# Altium PCB LTC7818.PcbDoc (continued)
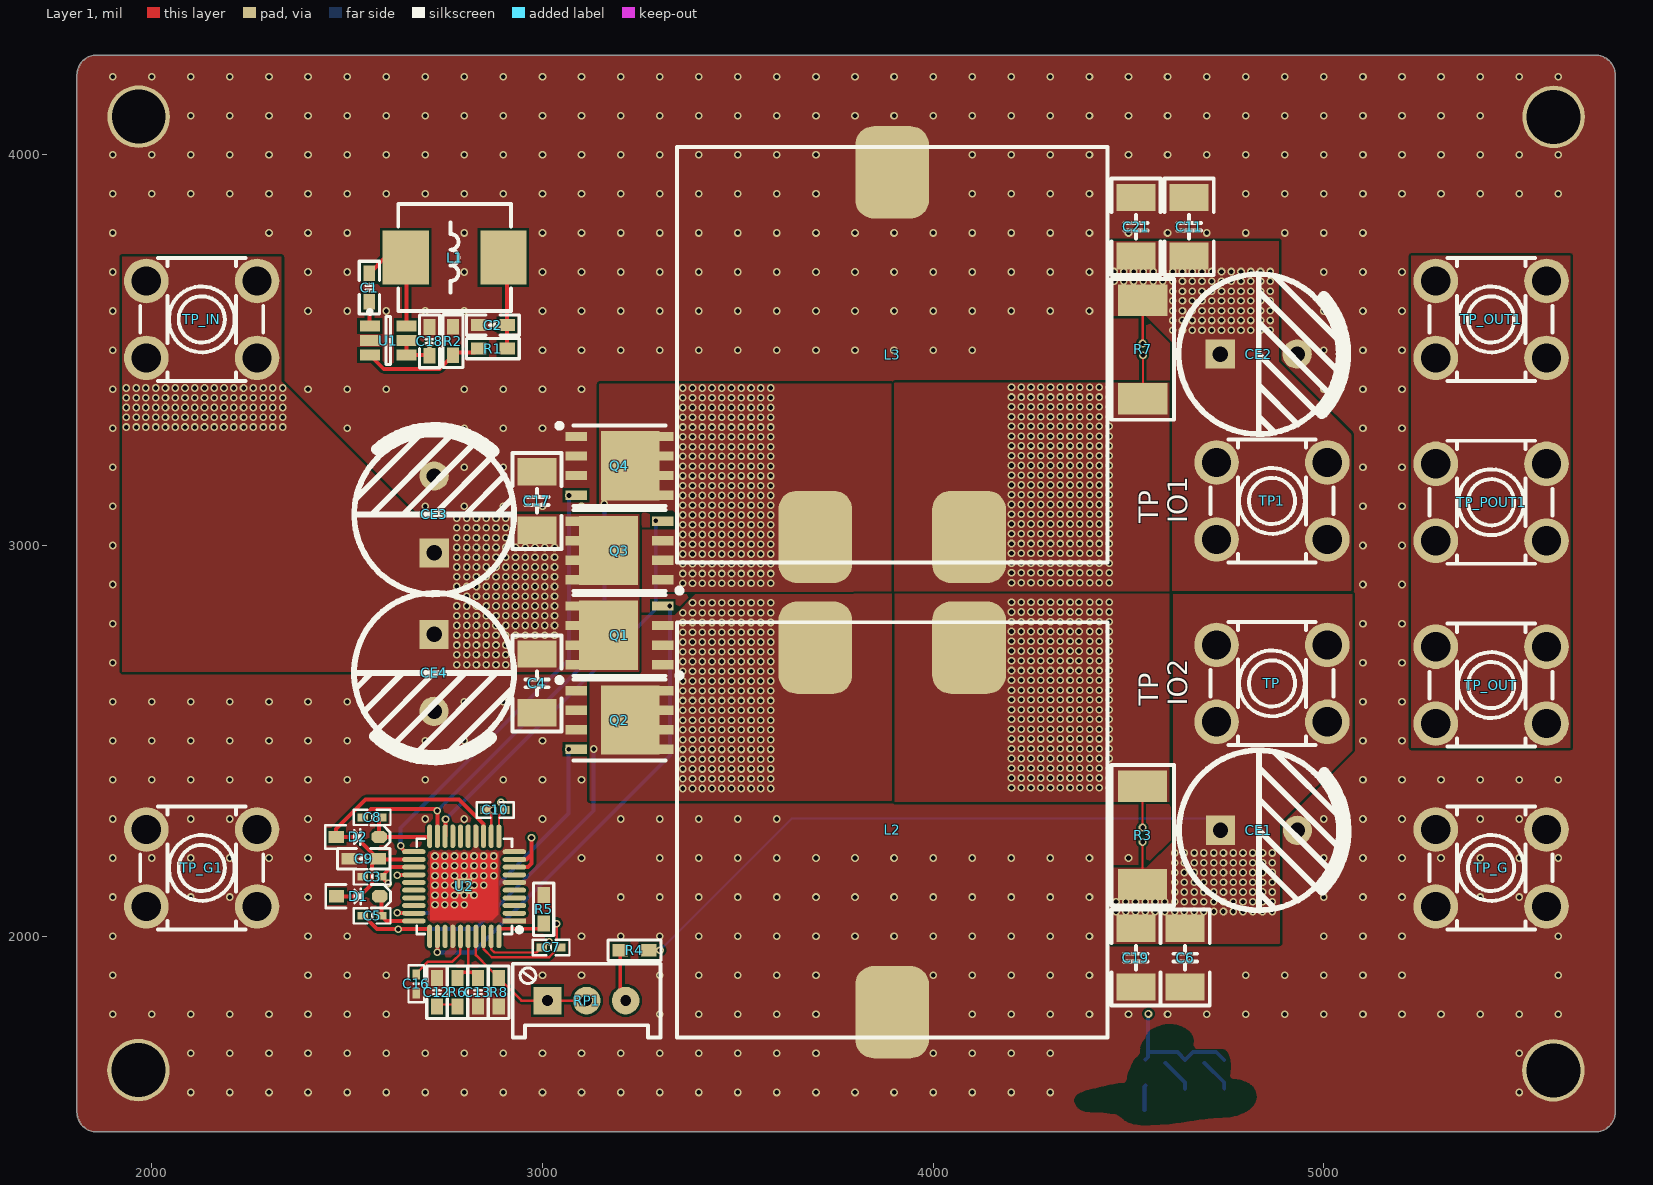
[diagram p0: Layer 1 view]
## Part data
C1 C2 C3 C4 C5 C6 C7 C8 C9 C10 C11 C12 C13 C16 C17 C18 C19 C21: library part C, "贴片电容", BOM名称=无极性贴片电容, 封装库来自淘宝卖家ID：黄晶宝石=其他店铺购入均为盗版假冒封装库，请立即申请退款, 联系卖家，免费查找封装=唯一出售店铺网址https://shop463601444.taobao.com
CE1 CE2 CE3 CE4: library part CE, "直插电解电容", BOM名称=直插电解电容, 封装库来自淘宝卖家ID：黄晶宝石=其他店铺购入均为盗版假冒封装库，请立即申请退款, 联系卖家，免费查找封装=唯一出售店铺网址https://shop463601444.taobao.com
D1 D2: "开关二极管", BOM名称=高速开关二极管, 联系卖家，免费查找封装=唯一出售店铺网址https://shop463601444.taobao.com
L1: library part "L-Molding Choke", "一体成型电感", BOM名称=一体成型电感, 封装库来自淘宝卖家ID：黄晶宝石=其他店铺购入均为盗版假冒封装库，请立即申请退款, 联系卖家，免费查找封装=唯一出售店铺网址https://shop463601444.taobao.com
L2 L3: library part "L_ SER2900"
LED1 LED2 LED3: library part LED-SMD, "贴片LED", BOM名称=贴片LED, 封装库来自淘宝卖家 ID：黄晶宝石=其他店铺购入均为假冒，请立即申请退款，本店奖励现金5~20元
R1 R2 R3 R4 R5 R6 R7 R8 R9 R10 R11: library part R, "贴片电阻", BOM名称=贴片电阻, 封装库来自淘宝卖家ID：黄晶宝石=其他店铺购入均为盗版假冒封装库，请立即申请退款, 联系卖家，免费查找封装=唯一出售店铺网址https://shop463601444.taobao.com
RP1: library part RP, "单联电位器", BOM名称=插件电位器, 封装库来自淘宝卖家ID：黄晶宝石=其他店铺购入均为盗版假冒封装库，请立即申请退款, 联系卖家，免费查找封装=唯一出售店铺网址https://shop463601444.taobao.com

## Free pads (board coordinates)
  round 160 hole 137.8: 0(1965.98,1657.08) 0(1966.53,4097.52) 0(5587.47,1656.53) 0(5588.02,4096.92)

## Via types
v1: diameter 19.68, hole 11.81, Layer 1 to Layer 4, tented both sides, 1828 vias

## Nets (pads, with @x,y where several pads share a name; then routed paths per layer and width w, separated by ;. In a path a pad name is that pad's centre, name@x,y a point inside that pad or via, vN(x,y) a via of type N, cw(c..) or ccw(c..) an arc to the next point about the centre after c; other vN are vias at no path point)
BG1: Q2.2 U2.29 | length 752.2
  Layer 1 w10: v1(2628,2059.76) 2628,2059.27 2628.14,2059.14 2670.35,2059.14 U2.29
  Layer 4 w10: v1(2628,2059.76) 2813.24,2059.76 3067,2313.52 v1(3067,2478)
BG2: Q4.2 U2.21 | length 1117.9
  Layer 1 w10: v1(2637,2231.16) 2638.85,2229.3 2638.85,2225.27 2648.04,2216.08 U2.21
  Layer 4 w10: v1(2637,2231.16) 2637,2277 3068,2708 v1(3068,3128)
INTVcc: C9.2 D1.1 D2.1 U2.13 U2.22 | length 884.8
  Layer 1 w10: D1.1 2532,2102 2564,2134 2564,2183 C9.2 ; U2.22 2579,2196.4 C9.2 ; U2.13 2849.21,2286.79 2786,2350 2547.44,2350 2471.88,2274.44 D2.1 2523,2254 C9.2
NetC1_1: C1.1 U1.1 | length 61.9
  Layer 1 w10: C1.1 2557,3563.01 U1.1
NetC1_2: C1.2 L1.1 U1.6 | length 285.8
  Layer 1 w10: C1.2 2597.5,3737 L1.1 2652.5,3734.5 U1.6
NetC5_2: C5.2 D1.2 U2.30 | length 149.7
  Layer 1 w10: D1.2@2576,2093.38 D1.2@2582.62,2100 ; D1.2 2588,2097.12 C5.2 2601.08,2038.92 U2.30
NetC8_2: C8.2 D2.2 U2.20 | length 182.6
  Layer 1 w10: C8.2 2582.12,2298.12 D2.2 2710.13,2254 2711.42,2255.29 U2.20
NetC12_1: C12.1 R6.1 | length 52.5
  Layer 1 w6: C12.1@2730,1825 R6.1@2782.5,1825
NetC13_1: C13.1 R6.2 U2.36 | length 156.9
  Layer 1 w6: 2808.75,1907.5 2809.84,1908.59 U2.36
  Layer 1 w10: R6.2 2797,1907.5 2808.75,1907.5 2820.5,1907.5 C13.1
NetC16_1: C16.1 U2.35 | length 177.7
  Layer 1 w6: C16.1@2677.5,1904.95 2707.4,1934.84 2769.84,1934.84 2790,1955 U2.35@2790,1999.23
  Layer 1 w10: U2.35@2790,1999.23 U2.35
NetLED1_1: LED1.1 R9.1 | length 64.1
  Layer 4 w10: LED1.1 4541.41,1615.46 R9.1@4544,1618.05
NetLED2_1: LED2.1 R10.1 | length 85.4
  Layer 4 w10: LED2.1 4645,1625.18 R10.1
NetLED3_1: LED3.1 R11.1 | length 85.4
  Layer 4 w10: LED3.1 4745,1625.18 R11.1
NetR1_1: R1.1 R2.2 U1.3 | length 315
  Layer 1 w10: U1.3 2593.71,3451.5 2736,3451.5 R2.2 2778.5,3494 2826.5,3494 R1.1
NetR4_1: R4.1 RP1.3 | length 147.5
  Layer 1 w10: R4.1@3208,1973 R4.1 3199,1849 RP1.3
NetR5_2: R5.2 U2.40 | length 139.6
  Layer 1 w10: U2.40 2888.58,2019 2989.5,2019 R5.2
PGND: C2.2 C3.1 C4.1 C6.1 C9.1 C11.1 C12.2 C13.2 C16.2 C17.1 C18.2 C19.1 C21.1 CE1.2 CE2.2 CE3.2 CE4.2 L2.3 L3.3 LED1.2 LED2.2 LED3.2 pad.0 Q2.1 Q4.1 R2.1 R5.1 R8.1 TP_G1.1 TP_G.1 U1.2 U2.1 U2.6 U2.10 U2.14 U2.34 U2.41
  other v1: 2100,1600 2200,1600 2300,1600 2400,1600 2500,1600 2600,1600 2700,1600 2800,1600 2900,1600 3000,1600 3100,1600 3200,1600 3300,1600 3400,1600 3500,1600 3600,1600 3700,1600 3800,1600 3900,1600 4000,1600 4100,1600 4200,1600 4300,1600 5500,1600 2100,1700 2200,1700 2300,1700 2400,1700 2500,1700 2600,1700 2700,1700 2800,1700 2900,1700 3000,1700 3100,1700 3200,1700 3300,1700 3400,1700 3500,1700 3600,1700 3700,1700 4000,1700 4100,1700 4200,1700 4300,1700 5500,1700 1900,1800 2000,1800 2100,1800 2200,1800 2300,1800 2400,1800 2500,1800 2600,1800 3300,1800 3400,1800 3500,1800 3600,1800 3700,1800 4100,1800 4200,1800 4300,1800 4400,1800 4500,1800 4600,1800 4700,1800 4800,1800 4900,1800 5000,1800 5100,1800 5200,1800 5300,1800 5400,1800 5500,1800 5600,1800 1900,1900 2400,1900 2500,1900 2600,1900 3000,1900 3100,1900 3300,1900 3400,1900 3500,1900 3600,1900 3700,1900 4000,1900 4100,1900 4200,1900 4300,1900 4400,1900 4800,1900 4900,1900 5000,1900 5100,1900 5200,1900 5600,1900 1900,2000 2400,2000 2500,2000 3100,2000 3200,2000 3300,2000 3400,2000 3500,2000 3600,2000 3700,2000 3800,2000 3900,2000 4000,2000 4100,2000 4200,2000 4300,2000 4400,2000 5000,2000 5100,2000 5200,2000 5600,2000 2725,2080.6 2750,2080.6 2775,2080.6 2800,2080.6 1900,2100 2100,2100 2200,2100 2400,2100 3200,2100 3300,2100 3400,2100 3500,2100 3600,2100 3700,2100 3800,2100 3900,2100 4000,2100 4100,2100 4200,2100 4300,2100 4400,2100 5000,2100 5100,2100 5200,2100 5400,2100 5500,2100 2725,2105 2750,2105 2775,2105 2800,2105 2825,2105 2725,2130 2750,2130 2775,2130 2800,2130 2825,2130 2850,2130 2725,2155 2750,2155 2775,2155 2800,2155 2825,2155 2850,2155 2875,2155 2725,2180 2750,2180 2775,2180 2800,2180 2825,2180 2850,2180 2875,2180 1900,2200 2000,2200 2100,2200 2200,2200 2300,2200 2400,2200 3100,2200 3300,2200 3400,2200 3500,2200 3600,2200 3700,2200 3800,2200 3900,2200 4000,2200 4100,2200 4200,2200 4300,2200 4400,2200 4500,2200 5000,2200 5100,2200 5200,2200 5300,2200 5400,2200 5500,2200 5600,2200 2725,2205 2750,2205 2775,2205 2800,2205 2825,2205 2850,2205 2875,2205 1900,2300 2100,2300 2200,2300 2400,2300 2700,2300 2800,2300 3000,2300 3200,2300 3300,2300 3400,2300 3500,2300 3600,2300 5000,2300 5100,2300 5200,2300 5400,2300 5500,2300 1900,2400 2000,2400 2100,2400 2200,2400 2300,2400 2400,2400 2500,2400 2700,2400 2900,2400 3000,2400 3100,2400 5100,2400 5200,2400 5300,2400 5400,2400 5500,2400 5600,2400 1900,2500 2000,2500 2100,2500 2200,2500 2300,2500 2400,2500 2500,2500 2700,2500 2800,2500 3000,2500 5100,2500 5200,2500 1900,2600 2000,2600 2100,2600 2200,2600 2300,2600 2400,2600 2500,2600 2800,2600 2900,2600 5100,2600 5200,2600 1900,2700 5100,2700 5200,2700 1900,2800 5100,2800 5200,2800 1900,2900 5100,2900 5200,2900 1900,3000 5100,3000 5200,3000 1900,3100 2700,3100 2800,3100 2900,3100 3000,3100 3100,3100 5100,3100 5200,3100 1900,3200 2800,3200 2900,3200 5100,3200 5200,3200 1900,3300 2500,3300 2700,3300 2800,3300 2900,3300 3000,3300 5100,3300 5200,3300 1900,3400 2400,3400 2500,3400 2600,3400 2800,3400 2900,3400 3000,3400 3100,3400 5000,3400 5100,3400 5200,3400 1900,3500 3000,3500 3100,3500 3200,3500 3300,3500 3400,3500 3500,3500 3600,3500 3700,3500 3800,3500 3900,3500 4000,3500 4100,3500 5000,3500 5100,3500 5200,3500 1900,3600 2400,3600 2500,3600 2600,3600 2700,3600 2800,3600 3000,3600 3100,3600 3200,3600 3300,3600 3400,3600 3500,3600 3600,3600 3700,3600 3800,3600 3900,3600 4000,3600 4100,3600 4200,3600 4300,3600 4400,3600 5000,3600 5100,3600 5200,3600 1900,3700 2400,3700 2500,3700 2800,3700 3000,3700 3100,3700 3200,3700 3300,3700 3400,3700 3500,3700 3600,3700 3700,3700 3800,3700 3900,3700 4000,3700 4100,3700 4200,3700 4300,3700 4400,3700 5000,3700 5100,3700 5200,3700 1900,3800 2300,3800 2400,3800 2500,3800 2800,3800 3000,3800 3100,3800 3200,3800 3300,3800 3400,3800 3500,3800 3600,3800 3700,3800 3800,3800 3900,3800 4000,3800 4100,3800 4200,3800 4300,3800 4400,3800 4500,3800 4600,3800 4700,3800 4800,3800 4900,3800 5000,3800 5100,3800 1900,3900 2000,3900 2100,3900 2200,3900 2300,3900 2400,3900 2500,3900 2600,3900 2700,3900 2800,3900 2900,3900 3000,3900 3100,3900 3200,3900 3300,3900 3400,3900 3500,3900 3600,3900 3700,3900 4100,3900 4200,3900 4300,3900 4400,3900 4800,3900 4900,3900 5000,3900 5100,3900 5200,3900 5300,3900 5400,3900 5500,3900 5600,3900 1900,4000 2000,4000 2100,4000 2200,4000 2300,4000 2400,4000 2500,4000 2600,4000 2700,4000 2800,4000 2900,4000 3000,4000 3100,4000 3200,4000 3300,4000 3400,4000 3500,4000 3600,4000 3700,4000 4100,4000 4200,4000 4300,4000 4400,4000 4500,4000 4600,4000 4700,4000 4800,4000 4900,4000 5000,4000 5100,4000 5200,4000 5300,4000 5400,4000 5500,4000 5600,4000 2100,4100 2200,4100 2300,4100 2400,4100 2500,4100 2600,4100 2700,4100 2800,4100 2900,4100 3000,4100 3100,4100 3200,4100 3300,4100 3400,4100 3500,4100 3600,4100 3700,4100 3800,4100 3900,4100 4000,4100 4100,4100 4200,4100 4300,4100 4400,4100 4500,4100 4600,4100 4700,4100 4800,4100 4900,4100 5000,4100 5100,4100 5200,4100 5300,4100 5400,4100 1900,4200 2000,4200 2100,4200 2200,4200 2300,4200 2400,4200 2500,4200 2600,4200 2700,4200 2800,4200 2900,4200 3000,4200 3100,4200 3200,4200 3300,4200 3400,4200 3500,4200 3600,4200 3700,4200 3800,4200 3900,4200 4000,4200 4100,4200 4200,4200 4300,4200 4400,4200 4500,4200 4600,4200 4700,4200 4800,4200 4900,4200 5000,4200 5100,4200 5200,4200 5300,4200 5400,4200 5500,4200 5600,4200
SENSE1+: C7.1 L2.1 R3.1 U2.38 | length 2025.9
  Layer 1 w6: U2.38 2849.21,1966.79 2870,1946 3017,1946 C7.1@3044,1973 ; v1(3036,2032) 3036.34,2031.66 3036.34,1971 C7.1 ; v1(4536,2278) R3.1
  Layer 3 w6: v1(3036,2032) 3048,2032 3281,2265 4523,2265 v1(4536,2278)
  other v1: 4200.5,2379.79 4225.5,2379.79 4250.5,2379.79 4275.5,2379.79 4300.5,2379.79 4325.5,2379.79 4350.5,2379.79 4375.5,2379.79 4400.5,2379.79 4425.5,2379.79 4450.5,2379.79 4200.5,2404.79 4225.5,2404.79 4250.5,2404.79 4275.5,2404.79 4300.5,2404.79 4325.5,2404.79 4350.5,2404.79 4375.5,2404.79 4400.5,2404.79 4425.5,2404.79 4450.5,2404.79 4200.5,2429.79 4225.5,2429.79 4250.5,2429.79 4275.5,2429.79 4300.5,2429.79 4325.5,2429.79 4350.5,2429.79 4375.5,2429.79 4400.5,2429.79 4425.5,2429.79 4450.5,2429.79 4200.5,2454.79 4225.5,2454.79 4250.5,2454.79 4275.5,2454.79 4300.5,2454.79 4325.5,2454.79 4350.5,2454.79 4375.5,2454.79 4400.5,2454.79 4425.5,2454.79 4450.5,2454.79 4200.5,2479.79 4225.5,2479.79 4250.5,2479.79 4275.5,2479.79 4300.5,2479.79 4325.5,2479.79 4350.5,2479.79 4375.5,2479.79 4400.5,2479.79 4425.5,2479.79 4450.5,2479.79 4200.5,2504.79 4225.5,2504.79 4250.5,2504.79 4275.5,2504.79 4300.5,2504.79 4325.5,2504.79 4350.5,2504.79 4375.5,2504.79 4400.5,2504.79 4425.5,2504.79 4450.5,2504.79 4200.5,2529.79 4225.5,2529.79 4250.5,2529.79 4275.5,2529.79 4300.5,2529.79 4325.5,2529.79 4350.5,2529.79 4375.5,2529.79 4400.5,2529.79 4425.5,2529.79 4450.5,2529.79 4200.5,2554.79 4225.5,2554.79 4250.5,2554.79 4275.5,2554.79 4300.5,2554.79 4325.5,2554.79 4350.5,2554.79 4375.5,2554.79 4400.5,2554.79 4425.5,2554.79 4450.5,2554.79 4200.5,2579.79 4225.5,2579.79 4250.5,2579.79 4275.5,2579.79 4300.5,2579.79 4325.5,2579.79 4350.5,2579.79 4375.5,2579.79 4400.5,2579.79 4425.5,2579.79 4450.5,2579.79 4200.5,2604.79 4225.5,2604.79 4250.5,2604.79 4275.5,2604.79 4300.5,2604.79 4325.5,2604.79 4350.5,2604.79 4375.5,2604.79 4400.5,2604.79 4425.5,2604.79 4450.5,2604.79 4200.5,2629.79 4225.5,2629.79 4250.5,2629.79 4275.5,2629.79 4300.5,2629.79 4325.5,2629.79 4350.5,2629.79 4375.5,2629.79 4400.5,2629.79 4425.5,2629.79 4450.5,2629.79 4200.5,2654.79 4225.5,2654.79 4250.5,2654.79 4275.5,2654.79 4300.5,2654.79 4325.5,2654.79 4350.5,2654.79 4375.5,2654.79 4400.5,2654.79 4425.5,2654.79 4450.5,2654.79 4200.5,2679.79 4225.5,2679.79 4250.5,2679.79 4275.5,2679.79 4300.5,2679.79 4325.5,2679.79 4350.5,2679.79 4373.16,2679.79 4400.5,2679.79 4425.5,2679.79 4450.5,2679.79 4200.5,2704.79 4225.5,2704.79 4250.5,2704.79 4275.5,2704.79 4300.5,2704.79 4325.5,2704.79 4350.5,2704.79 4373.16,2704.79 4400.5,2704.79 4425.5,2704.79 4450.5,2704.79 4200.5,2729.79 4225.5,2729.79 4250.5,2729.79 4275.5,2729.79 4300.5,2729.79 4325.5,2729.79 4350.5,2729.79 4373.16,2729.79 4400.5,2729.79 4425.5,2729.79 4450.5,2729.79 4200.5,2754.79 4225.5,2754.79 4250.5,2754.79 4275.5,2754.79 4300.5,2754.79 4325.5,2754.79 4350.5,2754.79 4373.16,2754.79 4400.5,2754.79 4425.5,2754.79 4450.5,2754.79 4200.5,2779.79 4225.5,2779.79 4250.5,2779.79 4275.5,2779.79 4300.5,2779.79 4325.5,2779.79 4350.5,2779.79 4373.16,2779.79 4400.5,2779.79 4425.5,2779.79 4450.5,2779.79 4200.5,2804.79 4225.5,2804.79 4250.5,2804.79 4275.5,2804.79 4300.5,2804.79 4325.5,2804.79 4350.5,2804.79 4373.16,2804.79 4400.5,2804.79 4425.5,2804.79 4450.5,2804.79 4200.5,2829.79 4225.5,2829.79 4250.5,2829.79 4275.5,2829.79 4300.5,2829.79 4325.5,2829.79 4350.5,2829.79 4373.16,2829.79 4400.5,2829.79 4425.5,2829.79 4450.5,2829.79 4200.5,2854.79 4225.5,2854.79 4250.5,2854.79 4275.5,2854.79 4300.5,2854.79 4325.5,2854.79 4350.5,2854.79 4373.16,2854.79 4400.5,2854.79 4425.5,2854.79 4450.5,2854.79
SENSE1-: C6.2 C7.2 C19.2 CE1.1 R3.2 R4.2 TP.1 U2.39 | length 3587.8
  Layer 1 w6: U2.39 2868.9,1966.1 2877,1958 2985,1958 C7.2 ; C7.2@3004,1975 3008,1975 3008,1978 3016.05,1986.05 v1(3017.5,1986.05) ; R4.2 v1(3301,1964) ; R3.2 4536.15,2132.17 4536,2132.32 v1(4536,2241)
  Layer 3 w6: v1(3017.5,1986.05) 3019.02,1986.05 3285.97,2253 4524,2253 v1(4536,2241)
  Layer 4 w6: v1(3301,1964) 3638,2301 4705.57,2301 CE1.1 ; TP.1@4725.49,2510.49 TP.1@4725.49,2548.57
  other v1: 4468,2063 4493,2063 4518,2063 4543,2063 4568,2063 4593,2063 4618,2063 4643,2063 4668,2063 4693,2063 4718,2063 4743,2063 4768,2063 4793,2063 4818,2063 4843,2063 4868,2063 4468,2088 4493,2088 4518,2088 4543,2088 4568,2088 4593,2088 4618,2088 4643,2088 4668,2088 4693,2088 4718,2088 4743,2088 4768,2088 4793,2088 4818,2088 4843,2088 4868,2088 4618,2113 4643,2113 4668,2113 4693,2113 4718,2113 4743,2113 4768,2113 4793,2113 4818,2113 4843,2113 4868,2113 4618,2138 4643,2138 4668,2138 4693,2138 4718,2138 4743,2138 4768,2138 4793,2138 4818,2138 4843,2138 4868,2138 4618,2163 4643,2163 4668,2163 4693,2163 4718,2163 4743,2163 4768,2163 4793,2163 4818,2163 4843,2163 4868,2163 4618,2188 4643,2188 4668,2188 4693,2188 4718,2188 4743,2188 4768,2188 4793,2188 4818,2188 4843,2188 4868,2188 4618,2213 4643,2213 4668,2213 4693,2213 4718,2213 4743,2213 4768,2213 4793,2213 4818,2213 4843,2213 4868,2213
SENSE2+: C10.1 L3.2 R7.1 U2.12 | length 2929.2
  Layer 1 w6: U2.12 2868.9,2309.1 C10.1 v1(2873,2323) ; R7.1 4537,3376.55 v1(4537,3487)
  Layer 3 w6: v1(2873,2323) 4030,2323 4063,2356 4063,3334 4225,3496 4528,3496 v1(4537,3487)
  other v1: 4200.5,2904.79 4225.5,2904.79 4250.5,2904.79 4275.5,2904.79 4300.5,2904.79 4325.5,2904.79 4350.5,2904.79 4375.5,2904.79 4400.5,2904.79 4425.5,2904.79 4450.5,2904.79 4200.5,2929.79 4225.5,2929.79 4250.5,2929.79 4275.5,2929.79 4300.5,2929.79 4325.5,2929.79 4350.5,2929.79 4375.5,2929.79 4400.5,2929.79 4425.5,2929.79 4450.5,2929.79 4200.5,2954.79 4225.5,2954.79 4250.5,2954.79 4275.5,2954.79 4300.5,2954.79 4325.5,2954.79 4350.5,2954.79 4375.5,2954.79 4400.5,2954.79 4425.5,2954.79 4450.5,2954.79 4200.5,2979.79 4225.5,2979.79 4250.5,2979.79 4275.5,2979.79 4300.5,2979.79 4325.5,2979.79 4350.5,2979.79 4375.5,2979.79 4400.5,2979.79 4425.5,2979.79 4450.5,2979.79 4200.5,3004.79 4225.5,3004.79 4250.5,3004.79 4275.5,3004.79 4300.5,3004.79 4325.5,3004.79 4350.5,3004.79 4375.5,3004.79 4400.5,3004.79 4425.5,3004.79 4450.5,3004.79 4200.5,3029.79 4225.5,3029.79 4250.5,3029.79 4275.5,3029.79 4300.5,3029.79 4325.5,3029.79 4350.5,3029.79 4375.5,3029.79 4400.5,3029.79 4425.5,3029.79 4450.5,3029.79 4200.5,3054.79 4225.5,3054.79 4250.5,3054.79 4275.5,3054.79 4300.5,3054.79 4325.5,3054.79 4350.5,3054.79 4375.5,3054.79 4400.5,3054.79 4425.5,3054.79 4450.5,3054.79 4200.5,3079.79 4225.5,3079.79 4250.5,3079.79 4275.5,3079.79 4300.5,3079.79 4325.5,3079.79 4350.5,3079.79 4375.5,3079.79 4400.5,3079.79 4425.5,3079.79 4450.5,3079.79 4200.5,3104.79 4225.5,3104.79 4250.5,3104.79 4275.5,3104.79 4300.5,3104.79 4325.5,3104.79 4350.5,3104.79 4375.5,3104.79 4400.5,3104.79 4425.5,3104.79 4450.5,3104.79 4200.5,3129.79 4225.5,3129.79 4250.5,3129.79 4275.5,3129.79 4300.5,3129.79 4325.5,3129.79 4350.5,3129.79 4375.5,3129.79 4400.5,3129.79 4425.5,3129.79 4450.5,3129.79 4200.5,3154.79 4225.5,3154.79 4250.5,3154.79 4275.5,3154.79 4300.5,3154.79 4325.5,3154.79 4350.5,3154.79 4375.5,3154.79 4400.5,3154.79 4425.5,3154.79 4450.5,3154.79 4200.5,3179.79 4225.5,3179.79 4250.5,3179.79 4275.5,3179.79 4300.5,3179.79 4325.5,3179.79 4350.5,3179.79 4375.5,3179.79 4400.5,3179.79 4425.5,3179.79 4450.5,3179.79 4200.5,3204.79 4225.5,3204.79 4250.5,3204.79 4275.5,3204.79 4300.5,3204.79 4325.5,3204.79 4350.5,3204.79 4375.5,3204.79 4400.5,3204.79 4425.5,3204.79 4450.5,3204.79 4200.5,3229.79 4225.5,3229.79 4250.5,3229.79 4275.5,3229.79 4300.5,3229.79 4325.5,3229.79 4350.5,3229.79 4375.5,3229.79 4400.5,3229.79 4425.5,3229.79 4450.5,3229.79 4200.5,3254.79 4225.5,3254.79 4250.5,3254.79 4275.5,3254.79 4300.5,3254.79 4325.5,3254.79 4350.5,3254.79 4375.5,3254.79 4400.5,3254.79 4425.5,3254.79 4450.5,3254.79 4200.5,3279.79 4225.5,3279.79 4250.5,3279.79 4275.5,3279.79 4300.5,3279.79 4325.5,3279.79 4350.5,3279.79 4375.5,3279.79 4400.5,3279.79 4425.5,3279.79 4450.5,3279.79 4200.5,3304.79 4225.5,3304.79 4250.5,3304.79 4275.5,3304.79 4300.5,3304.79 4325.5,3304.79 4350.5,3304.79 4375.5,3304.79 4400.5,3304.79 4425.5,3304.79 4450.5,3304.79 4200.5,3329.79 4225.5,3329.79 4250.5,3329.79 4275.5,3329.79 4300.5,3329.79 4325.5,3329.79 4350.5,3329.79 4375.5,3329.79 4400.5,3329.79 4425.5,3329.79 4450.5,3329.79 4200.5,3354.79 4225.5,3354.79 4250.5,3354.79 4275.5,3354.79 4300.5,3354.79 4325.5,3354.79 4350.5,3354.79 4375.5,3354.79 4400.5,3354.79 4425.5,3354.79 4450.5,3354.79 4200.5,3379.79 4225.5,3379.79 4250.5,3379.79 4275.5,3379.79 4300.5,3379.79 4325.5,3379.79 4350.5,3379.79 4375.5,3379.79 4400.5,3379.79 4425.5,3379.79 4450.5,3379.79 4200.5,3404.79 4225.5,3404.79 4250.5,3404.79 4275.5,3404.79 4300.5,3404.79 4325.5,3404.79 4350.5,3404.79 4375.5,3404.79 4400.5,3404.79 4425.5,3404.79 4450.5,3404.79
SENSE2-: C10.2 C11.2 C21.2 CE2.1 R7.2 TP1.1 U2.11 | length 2914.3
  Layer 1 w6: U2.11 2888.58,2308.58 C10.2 2893,2333 2893,2341 v1(2894,2342) ; v1(4536,3517) 4536.24,3517.24 R7.2
  Layer 3 w6: v1(2894,2342) 2900,2336 4026.03,2336 4051,2360.97 4051,3338.97 4220.03,3508 4527,3508 v1(4536,3517)
  other v1: 4613,3551 4638,3551 4663,3551 4688,3551 4713,3551 4738,3551 4763,3551 4788,3551 4813,3551 4838,3551 4863,3551 4613,3576 4638,3576 4663,3576 4688,3576 4713,3576 4738,3576 4763,3576 4788,3576 4813,3576 4838,3576 4863,3576 4613,3601 4638,3601 4663,3601 4688,3601 4713,3601 4738,3601 4763,3601 4788,3601 4813,3601 4838,3601 4863,3601 4613,3626 4638,3626 4663,3626 4688,3626 4713,3626 4738,3626 4763,3626 4788,3626 4813,3626 4838,3626 4863,3626 4613,3651 4638,3651 4663,3651 4688,3651 4713,3651 4738,3651 4763,3651 4788,3651 4813,3651 4838,3651 4863,3651 4463,3676 4488,3676 4513,3676 4538,3676 4563,3676 4588,3676 4613,3676 4638,3676 4663,3676 4688,3676 4713,3676 4738,3676 4763,3676 4788,3676 4813,3676 4838,3676 4863,3676 4463,3701 4488,3701 4513,3701 4538,3701 4563,3701 4588,3701 4613,3701 4638,3701 4663,3701 4688,3701 4713,3701 4738,3701 4763,3701 4788,3701 4813,3701 4838,3701 4863,3701
SW1: C5.1 L2.2 Q1.1 Q2.3 U2.31 | length 986.6
  Layer 1 w10: C5.1@2541.58,2053.42 2577,2018 v1(2631,2018) 2711.42,2018 U2.31
  Layer 4 w10: v1(2631,2018) 2828,2018 3131,2321 v1(3131,2479)
  other v1: 3359,2378 3384,2378 3409,2378 3434,2378 3459,2378 3484,2378 3509,2378 3534,2378 3559,2378 3584,2378 3359,2403 3384,2403 3409,2403 3434,2403 3459,2403 3484,2403 3509,2403 3534,2403 3559,2403 3584,2403 3359,2428 3384,2428 3409,2428 3434,2428 3459,2428 3484,2428 3509,2428 3534,2428 3559,2428 3584,2428 3359,2453 3384,2453 3409,2453 3434,2453 3459,2453 3484,2453 3509,2453 3534,2453 3559,2453 3584,2453 3359,2478 3384,2478 3409,2478 3434,2478 3459,2478 3484,2478 3509,2478 3534,2478 3559,2478 3584,2478 3359,2503 3384,2503 3409,2503 3434,2503 3459,2503 3484,2503 3509,2503 3534,2503 3559,2503 3584,2503 3359,2528 3384,2528 3409,2528 3434,2528 3459,2528 3484,2528 3509,2528 3534,2528 3559,2528 3584,2528 3359,2553 3384,2553 3409,2553 3434,2553 3459,2553 3484,2553 3509,2553 3534,2553 3559,2553 3584,2553 3359,2578 3384,2578 3409,2578 3434,2578 3459,2578 3484,2578 3509,2578 3534,2578 3559,2578 3584,2578 3359,2603 3384,2603 3409,2603 3434,2603 3459,2603 3484,2603 3509,2603 3534,2603 3559,2603 3584,2603 3359,2628 3384,2628 3409,2628 3434,2628 3459,2628 3484,2628 3509,2628 3534,2628 3559,2628 3584,2628 3359,2653 3384,2653 3409,2653 3434,2653 3459,2653 3484,2653 3509,2653 3534,2653 3559,2653 3584,2653 3359,2678 3384,2678 3409,2678 3434,2678 3459,2678 3484,2678 3509,2678 3534,2678 3559,2678 3584,2678 3359,2703 3384,2703 3409,2703 3434,2703 3459,2703 3484,2703 3509,2703 3534,2703 3559,2703 3584,2703 3359,2728 3384,2728 3409,2728 3434,2728 3459,2728 3484,2728 3509,2728 3534,2728 3559,2728 3584,2728 3359,2753 3384,2753 3409,2753 3434,2753 3459,2753 3484,2753 3509,2753 3534,2753 3559,2753 3584,2753 3359,2778 3384,2778 3409,2778 3434,2778 3459,2778 3484,2778 3509,2778 3534,2778 3559,2778 3584,2778 3359,2803 3384,2803 3409,2803 3434,2803 3459,2803 3484,2803 3509,2803 3534,2803 3559,2803 3584,2803 3359,2828 3384,2828 3409,2828 3434,2828 3459,2828 3484,2828 3509,2828 3534,2828 3559,2828 3584,2828 3384,2853 3409,2853 3434,2853 3459,2853 3484,2853 3509,2853 3534,2853 3559,2853 3584,2853
SW2: C8.1 L3.1 Q3.1 Q4.3 U2.19 | length 1230.5
  Layer 1 w10: C8.1 2561,2325 2727,2325 v1(2731,2321) 2731.1,2320.9 U2.19
  Layer 4 w10: v1(2731,2321) 3159,2749 3159,3106 v1(3158,3107)
  other v1: 3359,2903 3384,2903 3409,2903 3434,2903 3459,2903 3484,2903 3509,2903 3534,2903 3559,2903 3584,2903 3359,2928 3384,2928 3409,2928 3434,2928 3459,2928 3484,2928 3509,2928 3534,2928 3559,2928 3584,2928 3359,2953 3384,2953 3409,2953 3434,2953 3459,2953 3484,2953 3509,2953 3534,2953 3559,2953 3584,2953 3359,2978 3384,2978 3409,2978 3434,2978 3459,2978 3484,2978 3509,2978 3534,2978 3559,2978 3584,2978 3359,3003 3384,3003 3409,3003 3434,3003 3459,3003 3484,3003 3509,3003 3534,3003 3559,3003 3584,3003 3359,3028 3384,3028 3409,3028 3434,3028 3459,3028 3484,3028 3509,3028 3534,3028 3559,3028 3584,3028 3359,3053 3384,3053 3409,3053 3434,3053 3459,3053 3484,3053 3509,3053 3534,3053 3559,3053 3584,3053 3359,3078 3384,3078 3409,3078 3434,3078 3459,3078 3484,3078 3509,3078 3534,3078 3559,3078 3584,3078 3359,3103 3384,3103 3409,3103 3434,3103 3459,3103 3484,3103 3509,3103 3534,3103 3559,3103 3584,3103 3359,3128 3384,3128 3409,3128 3434,3128 3459,3128 3484,3128 3509,3128 3534,3128 3559,3128 3584,3128 3359,3153 3384,3153 3409,3153 3434,3153 3459,3153 3484,3153 3509,3153 3534,3153 3559,3153 3584,3153 3359,3178 3384,3178 3409,3178 3434,3178 3459,3178 3484,3178 3509,3178 3534,3178 3559,3178 3584,3178 3359,3203 3384,3203 3409,3203 3434,3203 3459,3203 3484,3203 3509,3203 3534,3203 3559,3203 3584,3203 3359,3228 3384,3228 3409,3228 3434,3228 3459,3228 3484,3228 3509,3228 3534,3228 3559,3228 3584,3228 3359,3253 3384,3253 3409,3253 3434,3253 3459,3253 3484,3253 3509,3253 3534,3253 3559,3253 3584,3253 3359,3278 3384,3278 3409,3278 3434,3278 3459,3278 3484,3278 3509,3278 3534,3278 3559,3278 3584,3278 3359,3303 3384,3303 3409,3303 3434,3303 3459,3303 3484,3303 3509,3303 3534,3303 3559,3303 3584,3303 3359,3328 3384,3328 3409,3328 3434,3328 3459,3328 3484,3328 3509,3328 3534,3328 3559,3328 3584,3328 3359,3353 3384,3353 3409,3353 3434,3353 3459,3353 3484,3353 3509,3353 3534,3353 3559,3353 3584,3353 3359,3378 3384,3378 3409,3378 3434,3378 3459,3378 3484,3378 3509,3378 3534,3378 3559,3378 3584,3378 3359,3403 3384,3403 3409,3403 3434,3403 3459,3403 3484,3403 3509,3403 3534,3403 3559,3403 3584,3403
TG1: Q1.2 U2.32 | length 1227.2
  Layer 1 w10: v1(2731.1,1958.6) U2.32
  Layer 4 w10: v1(2731.1,1958.6) 2822.6,1958.6 3326,2462 v1(3326,2845)
TG2: Q3.2 U2.18 | length 1030.7
  Layer 1 w10: U2.18 2751.32,2256.14 2751.32,2298.32 v1(2752,2299)
  Layer 4 w10: v1(2752,2299) 3290,2837 v1(3290,3063)
VCC5V5: C2.1 C3.2 L1.2 R1.2 U2.23 | length 1938.8
  Layer 1 w10: v1(2605,2135) C3.2 2612.71,2176.71 U2.23 ; v1(2882,3563) 2883,3564 C2.1 ; L1.2 2909.5,3727.5 C2.1 ; R1.2 C2.1
  Layer 3 w10: v1(2605,2135) 2588,2152 2588,3269 v1(2882,3563)
Vfb: R8.2 RP1.1 RP1.2 U2.37 | length 379.6
  Layer 1 w6: U2.37 2829.53,1951.47 2865.03,1915.97 R8.2 2946,1835 RP1.1 RP1.2
VIN36: C4.2 C17.2 C18.1 CE3.1 CE4.1 Q1.3 Q3.3 R9.2 R10.2 R11.2 TP_IN.1 U1.4 U1.5 U2.8 U2.9 U2.24 | length 4128.1
  Layer 1 w10: v1(2628.03,2155.87) 2628.03,2157.03 U2.24 ; U1.5 U1.4 2709.8,3487.2 C18.1 v1(2711,3515) ; U2.8 2962.71,2176.71 2972,2186 2972,2208.88 ; U2.9 2959.52,2196.4 2972,2208.88 ; v1(2972,2252) 2972,2208.88
  Layer 3 w10: TP_IN.1@2269.63,3480.15 2304.48,3515 v1(2711,3515) ; v1(2628.03,2155.87) 2628.03,2156.71 2604,2180.74 2604,2276 ; CE4.1 2604,2653.81 2604,2276 ; v1@4550,1801 4550,1828 4446,1932 3008,1932 2972,1968 v1(2972,2252) 2628,2252 2604,2276
  Layer 4 w10: R9.2 4550,1690 R9.2@4550,1703 ; v1@4550,1801 R9.2@4550,1703 ; R11.2 4724.5,1704 4665.5,1704 R10.2 4625.5,1703 R9.2@4550,1703
  other v1: 4551,1801 2781,2695 2806,2695 2831,2695 2856,2695 2881,2695 2906,2695 2781,2720 2806,2720 2831,2720 2856,2720 2881,2720 2906,2720 2781,2745 2806,2745 2831,2745 2856,2745 2881,2745 2906,2745 2781,2770 2806,2770 2831,2770 2856,2770 2881,2770 2906,2770 2931,2770 2956,2770 2981,2770 3006,2770 3031,2770 2781,2795 2806,2795 2831,2795 2856,2795 2881,2795 2906,2795 2931,2795 2956,2795 2981,2795 3006,2795 3031,2795 2781,2820 2806,2820 2831,2820 2856,2820 2881,2820 2906,2820 2931,2820 2956,2820 2981,2820 3006,2820 3031,2820 2781,2845 2806,2845 2831,2845 2856,2845 2881,2845 2906,2845 2931,2845 2956,2845 2981,2845 3006,2845 3031,2845 2781,2870 2806,2870 2831,2870 2856,2870 2881,2870 2906,2870 2931,2870 2956,2870 2981,2870 3006,2870 3031,2870 2781,2895 2806,2895 2831,2895 2856,2895 2881,2895 2906,2895 2931,2895 2956,2895 2981,2895 3006,2895 3031,2895 2781,2920 2806,2920 2831,2920 2856,2920 2881,2920 2906,2920 2931,2920 2956,2920 2981,2920 3006,2920 3031,2920 2781,2945 2806,2945 2831,2945 2856,2945 2881,2945 2906,2945 2931,2945 2956,2945 2981,2945 3006,2945 3031,2945 2781,2970 2806,2970 2831,2970 2856,2970 2881,2970 2906,2970 2931,2970 2956,2970 2981,2970 3006,2970 3031,2970 2781,2995 2806,2995 2831,2995 2856,2995 2881,2995 2906,2995 2931,2995 2956,2995 2981,2995 3006,2995 3031,2995 2781,3020 2806,3020 2831,3020 2856,3020 2881,3020 2906,3020 2781,3045 2806,3045 2831,3045 2856,3045 2881,3045 2906,3045 2781,3070 2806,3070 2831,3070 2856,3070 2881,3070 2906,3070 1935,3303 1960,3303 1985,3303 2010,3303 2035,3303 2060,3303 2085,3303 2110,3303 2135,3303 2160,3303 2185,3303 2210,3303 2235,3303 2260,3303 2285,3303 2310,3303 2335,3303 1935,3328 1960,3328 1985,3328 2010,3328 2035,3328 2060,3328 2085,3328 2110,3328 2135,3328 2160,3328 2185,3328 2210,3328 2235,3328 2260,3328 2285,3328 2310,3328 2335,3328 1935,3353 1960,3353 1985,3353 2010,3353 2035,3353 2060,3353 2085,3353 2110,3353 2135,3353 2160,3353 2185,3353 2210,3353 2235,3353 2260,3353 2285,3353 2310,3353 2335,3353 1935,3378 1960,3378 1985,3378 2010,3378 2035,3378 2060,3378 2085,3378 2110,3378 2135,3378 2160,3378 2185,3378 2210,3378 2235,3378 2260,3378 2285,3378 2310,3378 2335,3378 1935,3403 1960,3403 1985,3403 2010,3403 2035,3403 2060,3403 2085,3403 2110,3403 2135,3403 2160,3403 2185,3403 2210,3403 2235,3403 2260,3403 2285,3403 2310,3403 2335,3403
Vout: TP_OUT1.1 TP_OUT.1 TP_POUT1.1
pads on no net: U2.2 U2.3 U2.4 U2.5 U2.7 U2.15 U2.16 U2.17 U2.25 U2.26 U2.27 U2.28 U2.33

## Polygon pours and split planes (outlines as drawn)
PGND on Layer 1 "GND_L01_P-001" (solid, pour order 17): 1808.5,4205 cw(c1858.5,4205) 1858.5,4255 5695.96,4255 cw(c5695.96,4205.46) 5745.5,4205.46 5745.5,1548 cw(c5696.5,1548) 5696.5,1499 1857.5,1499 cw(c1857.5,1548) 1808.5,1548
SENSE2- on Layer 1 "GND_L01_P-001" (solid, pour order 11): 4452,3779 4885,3779 4885,3470 5070,3285 5070,2884 4612,2884 4612,3520 4544,3588 4452,3588
SENSE1- on Layer 1 "GND_L01_P-001" (solid, pour order 10): 4452,1981 4887,1981 4887,2290 5073,2476 5073,2875 4614,2875 4614,2243 4546,2175 4452,2175
SENSE1+ on Layer 1 "GND_L01_P-001" (solid, pour order 8): 3902,2876 4604.57,2876 4604.57,2343.89 3902,2343.89
SENSE2+ on Layer 1 "GND_L01_P-001" (solid, pour order 9): 3901,3416 4604.57,3416 4604.57,2881 3901,2881
SW2 on Layer 1 "GND_L01_P-001" (solid, pour order 2): 3146,3414 3146,3088 3148,3086 3152,3090 3334,3090 3343,3081 3343,3045 3338,3040 3255,3040 3255,2882 3893,2882 3893,3414
SW1 on Layer 1 "GND_L01_P-001" (solid, pour order 1): 3121,2671 3121,2347 3894,2347 3894,2876 3392,2876 3338,2822 3254,2822 3254,2677.55 3247.44,2671
VIN36 on Layer 1 "GND_L01_P-001" (solid, pour order 0): 1924,3739 1924,2677 3248,2677 3248,3080 2672,3080 2332,3420 2332,3739
Vout on Layer 1 "GND_L01_P-001" (solid, pour order 7): 5224,3742 5224,2482 5631,2482 5631,3742
PGND on Layer 4 "GND_L01_P-001" (solid, pour order 16): 1808.5,4205 cw(c1858.5,4205) 1858.5,4255 5695.96,4255 cw(c5695.96,4205.46) 5745.5,4205.46 5745.5,1548 cw(c5696.5,1548) 5696.5,1499 1857.5,1499 cw(c1857.5,1548) 1808.5,1548
SENSE2- on Layer 4 "GND_L01_P-001" (solid, pour order 6): 4452,3779 4885,3779 4885,3470 5070,3285 5070,2884 4612,2884 4612,3520 4544,3588 4452,3588
SENSE1- on Layer 4 "GND_L01_P-001" (solid, pour order 5): 4452,1981 4887,1981 4887,2290 5073,2476 5073,2875 4614,2875 4614,2243 4546,2175 4452,2175
SENSE1+ on Layer 4 "GND_L01_P-001" (solid, pour order 3): 3902,2876 4604.57,2876 4604.57,2343.89 3902,2343.89
SENSE2+ on Layer 4 "GND_L01_P-001" (solid, pour order 4): 3901,3416 4604.57,3416 4604.57,2881 3901,2881
SW2 on Layer 4 "GND_L01_P-001" (solid, pour order 15): 3347,3414 3347,2882 3893,2882 3893,3414
SW1 on Layer 4 "GND_L01_P-001" (solid, pour order 13): 3348,2832 3348,2347 3894,2347 3894,2876 3392,2876
VIN36 on Layer 4 "GND_L01_P-001" (solid, pour order 12): 1924,3739 1924,2677 3054,2677 3054,3080 2672,3080 2332,3420 2332,3739
PGND on Layer 2 "GND_L01_P-001" (solid, pour order 19): 1808.5,4205 cw(c1858.5,4205) 1858.5,4255 5695.96,4255 cw(c5695.96,4205.46) 5745.5,4205.46 5745.5,1548 cw(c5696.5,1548) 5696.5,1499 1857.5,1499 cw(c1857.5,1548) 1808.5,1548
PGND on Layer 3 "GND_L01_P-001" (solid, pour order 18): 1808.36,4205.64 cw(c1858.36,4205.64) 1858.36,4255.64 5695.81,4255.64 cw(c5695.81,4206.1) 5745.36,4206.1 5745.36,1548.64 cw(c5696.36,1548.64) 5696.36,1499.64 1857.36,1499.64 cw(c1857.36,1548.64) 1808.36,1548.64

## Other copper
Layer 4:
  pour cut-out: 4675,1660 4714,1660 4714,1628 4675,1628
  pour cut-out: 4575.5,1660 4614.5,1660 4614.5,1628 4575.5,1628
  pour cut-out: 4556,1535 4556,1574 4588,1574 4588,1535

## Silkscreen, mask and mechanical layers (free items; w line width, h text height)
Top Overlay:
  text "TP" at 4576,3056.91 h50 r90
  text "IO1" at 4650.7,3056.91 h50 r90
  text "TP" at 4576,2589.91 h50 r90
  text "IO2" at 4650.7,2589.91 h50 r90
Top Solder:
  drawing of 819 lines, arcs and shapes, not listed
  text "VIN" at 2026,3761 h80
  text "VOUTx3" at 5196,3761 h80
  text "PGND" at 1987,1921.79 h80
  text "PGND" at 5272.34,1921.79 h80
  text "两相交错并联" at 4837.07,1659.47 h80
  text "DCDC" at 5296,1656.48 h70
  text "2022电子设计大赛" at 4836,1585.21 h80
Bottom Solder:
  lines w40: 4541.59,1555 4602.59,1555 ; 4595,1615 4595,1674 ; 4695,1618.18 4695,1675.18
Mechanical 1:
  lines w10: 5695.5,4254.95 cw(c5695.5,4204.95) 5745.5,4204.95 5745.5,1549.05 ; 5695.5,4255 1858.5,4255 ccw(c1858.5,4205) 1808.5,4205 1808.5,1549.05 ccw(c1858.5,1549.05) 1858.5,1499.05 5695.5,1499.05 ccw(c5695.5,1549.05) 5745.5,1549.05 ; 5745.5,1549.05 5745.5,1549.05